# KiCad board SONATA-ONE.kicad_pcb (continued)
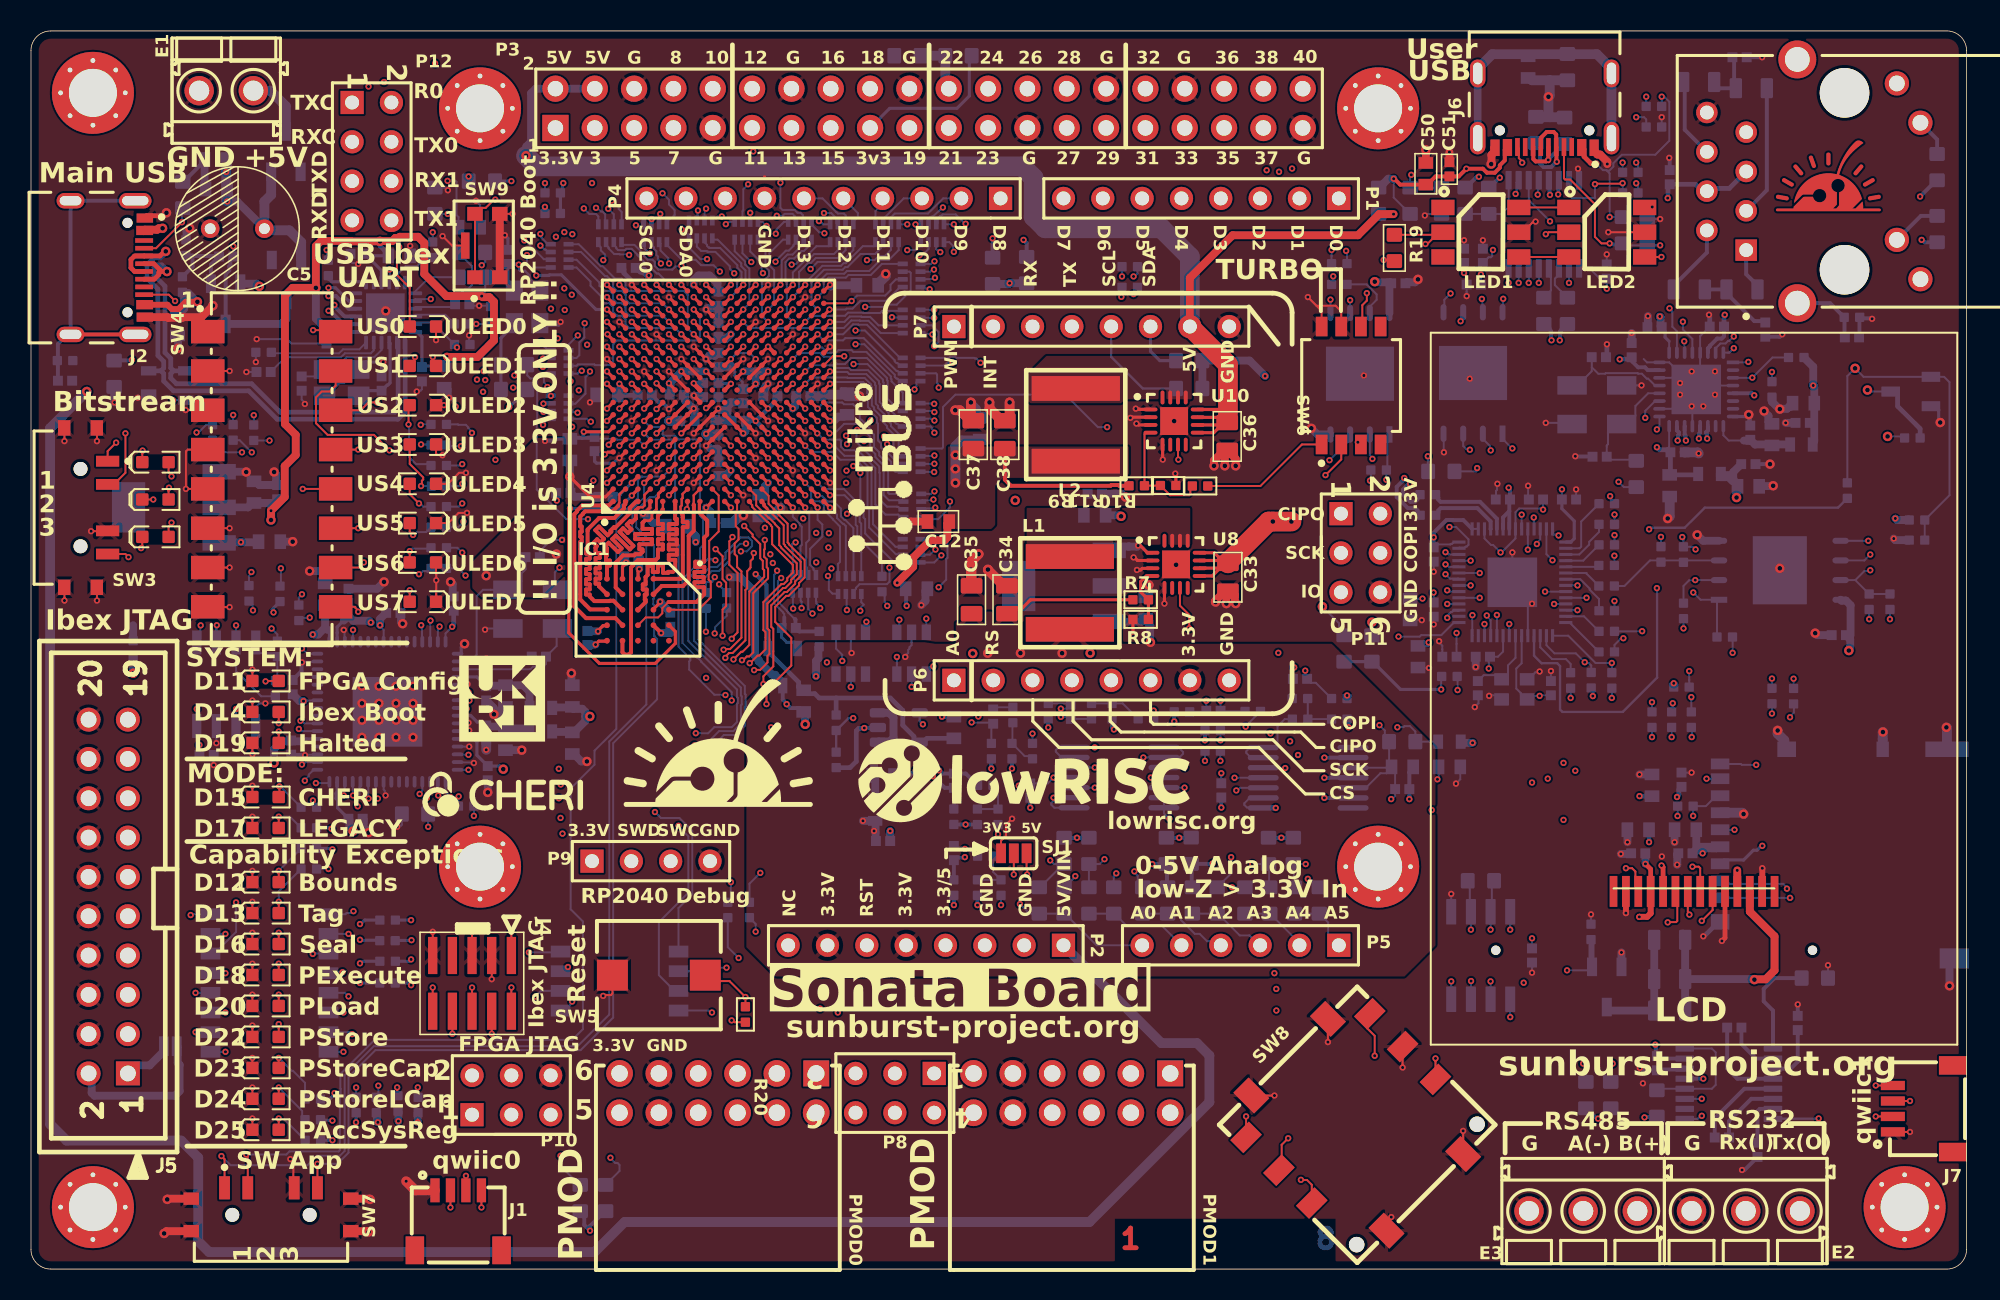
[diagram p0: board, top side]
## Routing (per net, layer and track width the routed paths; a pad name or vN(x,y) marks a point on that pad's centre or on a via; arc(x,y) is an arc through that point) (continued)
Net-(U4A-IO_L8N_T1_D12_14): length 20.6
  Top w0.203: U4.P14 v2(48.4,60.4)
  In6.Cu w0.127: v2(49.12,64.9) 49.81,65.59 50.01,65.59 50.15,65.73 53.6,65.73 53.72,65.84 54.26,65.84 54.41,65.68 54.62,65.68 54.77,65.52 54.77,64.57 54.7,64.51 54.7,64.09 54.77,64.03 54.77,62.81 54.39,62.42 54.39,62.13 53.85,61.59 49.04,61.59 48.79,61.35 48.79,60.79 v2(48.4,60.4)
  Bottom w0.127: R191.4A 51.61,66.18 51.52,66.09 50.73,66.09 50.16,65.52 49.97,65.52 49.41,64.96 49.18,64.96 v2(49.12,64.9)
Net-(U4A-IO_L8P_T1_D11_14): length 7.5
  Top w0.203: U4.N14 v2(47.6,60.4)
  In6.Cu w0.127: v2(48.08,65.09) 48.08,63.84 48.01,63.76 48.01,60.81 v2(47.6,60.4)
  Bottom w0.127: R182.3A 49.4,66.34 49.25,66.18 49.25,66.11 48.94,65.8 48.75,65.8 48.08,65.14 v2(48.08,65.09)
Net-(U4A-IO_L9N_T1_DQS_D13_14): length 4.3
  Top w0.203: U4.P18 v2(48.4,63.6)
  Bottom w0.127: R182.2A 49.9,66.34 49.75,66.18 49.75,66.11 49.18,65.55 48.86,65.55 48.48,65.17 48.48,63.75 48.4,63.68 v2(48.4,63.6)
Net-(U4A-IO_L9P_T1_DQS_14): length 24.9
  Top w0.203: U4.N17 v2(47.6,62.8)
  In3.Cu w0.127: v2(47.6,62.8) 48.01,63.21 52.88,63.21 53.38,63.7 58.17,63.7 58.22,63.66 58.24,63.66 58.6,63.31 69.63,63.31 v2(70.46,64.14)
  Bottom w0.127: v2(70.46,64.14) R168.1
Net-(U4A-IO_L10P_T1_D14_14): length 9.7
  Top w0.203: U4.M16 v2(46.8,62)
  In6.Cu w0.127: v2(46.8,62) 46.75,62.05 46.75,62.3 46.41,62.64 46.41,64.4 46.91,64.91 46.91,65.41 46.84,65.49 45.21,65.49 45.2,65.5 43.98,65.5 43.73,65.26 v2(43.66,65.26)
  Bottom w0.127: 42.5,66.52 42.5,66 43.24,65.26 v2(43.66,65.26)
Net-(U4A-IO_L11N_T1_SRCC_14): length 6.1
  Top w0.203: U4.N16 v2(47.6,62)
  Bottom w0.127: v2(47.6,62) 47.99,62.39 47.99,64.54 47.69,64.85 47.69,65.64 48.56,66.52 R182.4A
Net-(U4A-IO_L11P_T1_SRCC_14): length 6.6
  Top w0.203: U4.N15 v2(47.6,61.2)
  Bottom w0.127: v2(47.6,61.2) 47.21,61.59 47.21,63.76 47.44,63.99 47.47,63.99 47.67,64.19 47.67,64.51 47.44,64.74 47.44,65.85 46.95,66.34 R177.1A
Net-(U4A-IO_L12N_T1_MRCC_14): length 6.5
  Top w0.203: U4.R17 v2(49.2,62.8)
  Bottom w0.127: R191.2A 52.61,65.84 52.1,65.33 50.68,65.33 50.37,65.01 50.18,65.01 49.61,64.44 49.61,63.21 v2(49.2,62.8)
Net-(U4A-IO_L12P_T1_MRCC_14): length 16.9
  Top w0.203: U4.P17 v2(48.4,62.8)
  In6.Cu w0.127: v2(53.87,62.17) 53.87,63.47 54.45,64.05 54.45,64.61 54.52,64.68 54.52,65.22 54.15,65.59 53.82,65.59 53.68,65.45 50.23,65.45 48.81,64.03 48.81,63.21 v2(48.4,62.8)
  Bottom w0.127: v2(53.87,62.17) 55.2,62.17 55.35,62.32 55.91,62.32 56.81,63.22 56.81,64.37 56.74,64.45 R179.3A
Net-(U4A-IO_L13N_T2_MRCC_14): length 7
  Top w0.203: U4.R15 v2(49.2,61.2)
  Bottom w0.127: v2(49.2,61.2) 48.81,61.59 48.81,63.75 48.73,63.83 48.73,65.07 48.96,65.3 49.29,65.3 49.77,65.78 49.91,65.78 50.25,66.11 50.25,66.18 50.4,66.34 R182.1A
Net-(U4A-IO_L14N_T2_SRCC_14): length 7.2
  Top w0.203: U4.T15 v2(50,61.2)
  Bottom w0.127: v2(50,61.2) 50.39,61.59 52.56,61.59 52.77,61.8 53.73,61.8 53.76,61.78 54.84,61.78 54.98,61.92 56.24,61.92 R183.4A
Net-(U4A-IO_L15N_T2_DQS_DOUT_CSO_B_14): length 9
  Top w0.203: U4.T16 v2(50,62)
  In6.Cu w0.127: v2(53.99,65.19) 51.84,65.19 50.41,63.76 50.41,62.41 v2(50,62)
  Bottom w0.127: R190.2A 55.54,65.85 55.14,65.46 54.74,65.46 54.48,65.19 v2(53.99,65.19)
Net-(U4A-IO_L15P_T2_DQS_RDWR_B_14): length 7.4
  Top w0.203: U4.R16 v2(49.2,62)
  In6.Cu w0.127: v2(50.35,64.62) 49.61,63.88 49.61,62.41 v2(49.2,62)
  Bottom w0.127: v2(50.35,64.62) 50.8,65.08 52.2,65.08 52.38,65.25 52.52,65.25 53.11,65.84 R191.1A
Net-(U4A-IO_L16N_T2_A15_D31_14): length 5.9
  Top w0.203: v2(51.57,62) 51.57,61.98 51.2,61.62 U4.V16
  Bottom w0.127: v2(51.57,62) 52.61,62 52.67,62.06 53.06,62.06 53.57,62.56 55.24,62.56 56.12,63.45 R179.1A
Net-(U4A-IO_L16P_T2_CSI_B_14): length 5.6
  Top w0.203: U4.V15 v2(51.6,61.2)
  Bottom w0.127: v2(51.6,61.2) 52.53,61.2 52.88,61.55 53.63,61.55 53.65,61.52 54.19,61.52 54.74,60.98 R183.2A
Net-(U4A-IO_L17N_T2_A13_D29_14): length 7.3
  Top w0.203: U4.U18 v2(50.8,63.6)
  Bottom w0.127: R190.1A 56.04,65.84 55.4,65.2 54.85,65.2 54.13,64.49 52.69,64.49 52.52,64.31 51.4,64.31 50.85,63.77 50.85,63.65 v2(50.8,63.6)
Net-(U4A-IO_L17P_T2_A14_D30_14): length 7.3
  Top w0.203: U4.U17 v2(50.8,62.8)
  Bottom w0.127: R179.4A 54.95,64.95 54.24,64.23 52.8,64.23 52.63,64.06 51.5,64.06 51.19,63.75 51.19,63.19 v2(50.8,62.8)
Net-(U4A-IO_L18N_T2_A11_D27_14): length 5.9
  Top w0.127: v2(53,62.55) 52.92,62.55 52.77,62.4 U4.V17
  Bottom w0.127: R179.2A 55.86,63.95 55.51,63.6 55.51,63.25 55.17,62.9 53.35,62.9 v2(53,62.55)
Net-(U4A-IO_L18P_T2_A12_D28_14): length 8.3
  Top w0.203: U4.U16 v2(50.8,62)
  Bottom w0.127: v2(50.8,62) 50.41,62.39 50.41,63.76 51.21,64.57 52.41,64.57 52.59,64.74 52.73,64.74 53.57,65.59 54.51,65.59 54.88,65.95 54.88,66.02 55.04,66.18 R190.3A
Net-(U4A-IO_L19N_T3_A09_D25_VREF_14): length 16.2
  Top w0.203: U4.U11 v2(50.8,58)
  In6.Cu w0.127: v2(57.37,65.5) 57.37,65.11 57.31,65.05 57.31,58.87 55.37,56.92 53.61,56.92 ; 53.58,56.92 53.58,56.94 52.93,57.59 51.21,57.59 v2(50.8,58)
  Bottom w0.127: R189.3A 57.96,65.91 57.56,65.5 v2(57.37,65.5)
Net-(U4A-IO_L19P_T3_A10_D26_14): length 9.6
  Top w0.203: U4.T11 v2(50,58)
  Bottom w0.127: R188.1A 56.12,54.45 55.96,54.61 55.89,54.61 55.39,55.11 55.39,55.32 54.96,55.75 54.96,55.88 54.81,56.02 54.81,57.18 54.77,57.23 54.77,57.37 54.05,58.08 52.96,58.08 52.82,58.22 51.97,58.22 51.79,58.39 50.39,58.39 v2(50,58)
Net-(U4A-IO_L20N_T3_A07_D23_14): length 13.8
  Top w0.127: v2(52.52,58.98) 51.78,58.98 U4.V12
  In6.Cu w0.127: v2(52.52,58.98) 53.18,58.98 53.29,58.87 53.88,58.87 55.01,59.99 55.01,62.21 56.6,63.8 56.6,65.29 56.75,65.45 56.75,65.45 56.98,65.68 56.98,65.69 57.19,65.9 57.83,65.9 58.01,65.71 v2(58.72,65.71)
  Bottom w0.127: R189.2A 58.46,65.89 58.59,65.77 58.67,65.77 v2(58.72,65.71)
Net-(U4A-IO_L20P_T3_A08_D24_14): length 8.5
  Top w0.203: U4.U12 v2(50.8,58.8)
  In6.Cu w0.127: v2(53.12,58.47) 52.04,58.47 51.87,58.65 51.85,58.65 51.7,58.8 v2(50.8,58.8)
  Bottom w0.127: R188.2A 56.12,54.95 55.96,55.11 55.89,55.11 55.64,55.36 55.64,55.43 55.35,55.71 55.35,55.84 55.07,56.13 55.07,57.28 55.02,57.33 55.02,57.47 54.02,58.47 v2(53.12,58.47)
Net-(U4A-IO_L21N_T3_DQS_A06_D22_14): length 8.9
  Top w0.203: U4.V11 v2(51.6,58)
  Bottom w0.127: R185.4A 56.12,53.02 56.04,53.1 56.04,53.96 55.54,54.46 55.54,54.6 55.13,55.01 55.13,55.22 54.7,55.65 54.7,55.77 54.56,55.92 54.56,57.07 54.51,57.12 54.51,57.26 53.95,57.83 52.85,57.83 52.72,57.97 51.63,57.97 v2(51.6,58)
Net-(U4A-IO_L21P_T3_DQS_14): length 9.9
  Top w0.203: U4.V10 v2(51.6,57.2)
  Bottom w0.127: R185.1A 55.82,51.52 55.55,51.79 55.55,52.16 55.04,52.68 55.04,52.94 54.9,53.08 54.9,53.35 54.7,53.54 54.7,54.62 54.62,54.7 54.62,55.01 54.19,55.44 54.19,55.56 54.05,55.71 54.05,56.55 54,56.6 54,57.06 53.74,57.32 51.79,57.32 51.68,57.2 v2(51.6,57.2)
Net-(U4A-IO_L22N_T3_A04_D20_14): length 6.4
  Top w0.203: U4.V14 v2(51.6,60.4)
  Bottom w0.127: R181.4A 56.12,58.88 53.98,61.01 53.44,61.01 53.42,61.04 53.09,61.04 52.45,60.4 v2(51.6,60.4)
Net-(U4A-IO_L22P_T3_A05_D21_14): length 7.2
  Top w0.203: U4.U14 v2(50.8,60.4)
  Bottom w0.127: v2(50.8,60.4) 51.19,60.01 52.45,60.01 52.59,60.15 53.78,60.15 55.89,58.04 55.96,58.04 56.12,57.88 R181.2A
Net-(U4A-IO_L23N_T3_A02_D18_14): length 8.3
  Top w0.203: U4.U13 v2(50.8,59.6)
  Bottom w0.127: v2(50.8,59.6) 50.85,59.55 51.1,59.55 51.44,59.21 51.97,59.21 52.14,59.38 52.99,59.38 53.1,59.26 53.95,59.26 55.53,57.68 55.53,57.54 55.57,57.5 55.57,57.35 56.3,56.63 R188.4A
Net-(U4A-IO_L23P_T3_A03_D19_14): length 8.3
  Top w0.203: U4.T13 v2(50,59.6)
  In6.Cu w0.127: v2(50,59.6) 50.39,59.21 51.76,59.21 52.31,59.75 53.25,59.75 v2(53.25,59.76)
  Bottom w0.127: R181.1A 56.12,57.38 55.96,57.54 55.89,57.54 55.78,57.65 55.78,57.79 53.81,59.76 53.26,59.76
Net-(U4A-IO_L24N_T3_A00_D16_14): length 10.8
  Top w0.203: U4.T10 v2(50,57.2)
  Bottom w0.127: v2(50,57.2) 50.41,57.61 52.72,57.61 52.75,57.57 53.84,57.57 54.26,57.16 54.26,57.02 54.3,56.97 54.3,55.81 54.45,55.67 54.45,55.54 54.88,55.11 54.88,54.88 55.28,54.47 55.28,54.36 55.7,53.94 55.7,52.87 55.89,52.68 56.04,52.6 R185.3A
Net-(U4A-IO_L24P_T3_A01_D17_14): length 8.8
  Top w0.203: U4.T9 v2(50,55.6)
  In6.Cu w0.127: v2(50,55.6) 50.41,55.19 51.81,55.19 52.66,54.34 52.86,54.34 52.92,54.29 52.92,54.12 53.03,54.01 53.03,53.97 53.11,53.89 53.14,53.89 53.2,53.83 53.58,53.83 53.64,53.89 53.96,53.89 54.1,53.76 54.24,53.76 54.68,53.32 55.28,53.32 v2(55.29,53.3)
  Bottom w0.127: v2(55.29,53.3) 55.29,52.78 55.89,52.18 55.96,52.18 56.12,52.02 R185.2A
Net-(U4B-IO_25_15): length 43.3
  Top w0.203: U4.K16 v2(45.2,62)
  In6.Cu w0.127: v2(45.2,62) 44.74,61.54 44.74,57.95 43.99,57.2 43.99,55.47 43.21,54.68 43.21,49.04 43.32,48.92 43.32,46.16 43.54,45.94 43.54,45.88 44.01,45.41 46.06,45.41 46.41,45.06 46.41,44.74 46.63,44.51 46.63,39.92 47.45,39.11 47.45,38.69 47.7,38.44 47.7,37.46 47.11,36.86 47.11,25.61 v2(47.1,25.6)
  Bottom w0.127: 46.41,23.71 R187.1 46.4,24.9 v2(47.1,25.6)
Net-(U4B-IO_L10N_T1_AD11N_15): length 11.3
  Top w0.203: v2(37.2,63.6) U4.A18
  In6.Cu w0.127: v2(37.2,63.6) 34.85,61.25 34.85,60.93 34.67,60.75 34.67,60.06 34.96,59.76 34.96,57.99 35.89,57.06 35.89,56.49 35.71,56.31 35.71,55.74 v2(35.3,55.33)
  Bottom w0.127: R172.3A 34.77,55.39 35.25,55.39 v2(35.3,55.33)
Net-(U4B-IO_L10P_T1_AD11P_15): length 10.6
  Top w0.203: v2(38,63.6) U4.B18
  In6.Cu w0.127: v2(34.85,57.37) 34.79,57.42 34.79,57.66 34.71,57.74 34.71,59.66 34.41,59.96 34.41,60.86 34.59,61.04 34.59,61.54 35.72,62.67 35.72,62.68 37.04,63.99 37.61,63.99 v2(38,63.6)
  Bottom w0.127: v2(34.85,57.37) 34.85,56.53 34.76,56.44 R172.1A
Net-(U4B-IO_L11N_T1_SRCC_15): length 13.1
  Top w0.203: v2(40.4,62) U4.E16
  In6.Cu w0.127: v2(40.4,62) 40.01,62.39 36.48,62.39 35.1,61.02 35.1,60.83 34.92,60.65 34.92,60.17 36.1,58.99 v2(36.1,58)
  Bottom w0.127: v2(36.1,58) 36.1,57.92 35.81,57.64 35.81,56.56 35.16,55.91 34.74,55.91 R172.2A
Net-(U4B-IO_L12N_T1_MRCC_15): length 7
  Top w0.203: v2(38.8,61.2) U4.C15
  In6.Cu w0.127: v2(38.8,61.2) 38.41,61.59 36.24,61.59 v2(35.76,61.12)
  Bottom w0.127: v2(35.76,61.12) 35.73,61.09 35.73,60.19 35.41,59.87 35.41,59.05 35.23,58.87 R173.2A
Net-(U4B-IO_L12P_T1_MRCC_15): length 6.4
  Top w0.203: v2(39.6,61.2) U4.D15
  In6.Cu w0.127: v2(35.31,60.33) 36.6,60.33 37.07,60.79 39.19,60.79 v2(39.6,61.2)
  Bottom w0.127: R173.1A 34.72,59.73 v2(35.31,60.33)
Net-(U4B-IO_L13N_T2_MRCC_15): length 11.6
  Top w0.203: v2(42,62) U4.G16
  In6.Cu w0.127: v2(35.57,58.04) 35.64,58.04 35.66,58.06 ; 35.66,58.16 35.71,58.16 35.71,57.84 35.94,57.61 36.26,57.61 36.49,57.84 36.49,59.45 37.04,59.99 39.75,59.99 40,60.24 40,60.56 40.24,60.8 40.6,60.8 40.79,60.99 40.79,61.47 40.93,61.61 41.61,61.61 v2(42,62)
  Bottom w0.127: R173.4A 34.72,57.86 35.31,57.86 35.49,58.04 v2(35.57,58.04)
Net-(U4B-IO_L13P_T2_MRCC_15): length 12.4
  Top w0.203: v2(42.8,62) U4.H16
  Bottom w0.127: R173.3A 35.23,58.37 35.32,58.46 36.38,58.46 36.43,58.41 37.36,58.41 37.6,58.65 37.6,59.76 37.84,60 42.95,60 43.19,60.24 43.19,61.61 v2(42.8,62)
Net-(U4B-IO_L14N_T2_SRCC_15): length 9
  Top w0.203: v2(41.2,62) U4.F16
  Bottom w0.127: R174.2A 35.52,65.72 37.08,64.15 37.2,64.15 37.59,63.76 37.59,63.45 37.84,63.2 38.15,63.2 38.4,62.95 38.4,62.64 38.65,62.39 40.81,62.39 v2(41.2,62)
Net-(U4B-IO_L14P_T2_SRCC_15): length 9.2
  Top w0.203: v2(41.2,61.2) U4.F15
  Bottom w0.127: R174.3A 35.23,65.22 36.71,63.74 36.71,63.53 37.04,63.21 37.35,63.21 37.6,62.96 37.6,62.65 37.84,62.4 38.15,62.4 38.39,62.16 38.39,61.85 38.64,61.61 40.79,61.61 v2(41.2,61.2)
Net-(U4B-IO_L15N_T2_DQS_ADV_B_15): length 10.3
  Top w0.203: v2(42,60.4) U4.G14
  Bottom w0.127: R174.4A 35.23,64.72 36.13,63.81 36.13,63.54 36.81,62.87 36.81,62.64 37.04,62.4 37.36,62.4 37.6,62.16 37.6,61.85 37.84,61.6 38.15,61.6 38.39,61.36 38.39,61.05 38.64,60.81 41.59,60.81 v2(42,60.4)
Net-(U4B-IO_L15P_T2_DQS_15): length 12.5
  Top w0.203: v2(42.8,60.4) U4.H14
  Bottom w0.127: v2(42.8,60.4) 42.41,60.79 42.41,62.95 42.16,63.2 38.64,63.2 38.39,63.45 38.39,63.76 38.16,64 37.71,64 36.92,64.8 36.8,64.8 35.38,66.22 R174.1A
Net-(U4B-IO_L16N_T2_A27_15): length 5.3
  Top w0.203: v2(39.6,62.8) U4.D17
  In4.Cu w0.127: v2(40.68,64.98) 40.63,64.92 40.63,64.72 40.55,64.65 40.55,64 40.79,63.76 40.79,63.44 40.56,63.21 40.01,63.21 v2(39.6,62.8)
  Bottom w0.127: R176.3A 40.07,66.18 40.23,66.02 40.23,65.93 40.39,65.76 40.39,65.52 40.49,65.43 40.49,65.24 40.68,65.05 v2(40.68,64.98)
Net-(U4B-IO_L16P_T2_A28_15): length 6
  Top w0.203: v2(40.4,62.8) U4.E17
  In4.Cu w0.127: v2(41.21,64.98) 41.21,64.95 40.81,64.55 40.81,64.11 40.92,63.99 41.36,63.99 41.59,63.76 41.59,63.44 41.35,63.19 41.04,63.19 40.7,62.85 40.45,62.85 v2(40.4,62.8)
  Bottom w0.127: v2(41.21,64.98) 41.16,65.03 41.16,65.31 40.65,65.82 40.65,66.27 R176.2A
Net-(U4B-IO_L17N_T2_A25_15): length 10.1
  Top w0.203: v2(43.6,59.6) U4.J13
  In1.Cu w0.127: v2(43.6,59.6) 44.4,60.4 44.4,64.4 44.46,64.46 v2(44.49,64.46)
  Bottom w0.127: R176.1A 41.07,66.18 42.02,65.23 42.16,65.23 42.18,65.22 42.92,65.22 43.28,64.86 44.08,64.86 v2(44.49,64.46)
Net-(U4B-IO_L17P_T2_A26_15): length 11.3
  Top w0.203: U4.K13 v2(45.2,59.6)
  In4.Cu w0.127: v2(45.2,59.6) 44.5,60.3 44.5,63.86 42.71,65.65 40.02,65.65 v2(39.98,65.61)
  Bottom w0.127: v2(39.98,65.61) 39.94,65.61 39.63,65.92 39.63,66.29 R176.4A
Net-(U4B-IO_L18P_T2_A24_15): length 16.3
  Top w0.203: v2(42.8,62.8) U4.H17
  In6.Cu w0.127: v2(36.16,54.76) 36.1,54.81 36.1,55.12 36.1,55.12 36.1,55.25 36.4,55.54 36.4,55.74 36.49,55.84 36.49,56.16 36.4,56.26 36.4,57.31 36.75,57.66 36.75,58.9 37.04,59.19 40.55,59.19 40.79,59.44 40.79,59.75 41.04,59.99 41.35,59.99 41.59,60.24 41.59,60.55 41.84,60.79 42.99,60.79 43.19,60.99 43.19,62.41 v2(42.8,62.8)
  Bottom w0.127: R172.4A 35.9,54.94 36.08,54.76 v2(36.16,54.76)
Net-(U4B-IO_L22N_T3_A16_15): length 5.6
  Top w0.203: v2(41.2,63.6) U4.F18
  Bottom w0.127: R194.2A 37.64,66.18 37.8,66.02 37.8,65.95 37.91,65.84 38.37,65.84 38.45,65.92 38.79,65.92 39.17,65.54 39.17,65.51 39.71,64.97 39.88,64.97 40.03,64.82 40.03,64.71 40.41,64.33 40.52,64.33 41.2,63.65 v2(41.2,63.6)
Net-(U4B-IO_L23N_T3_FWE_B_15): length 7.9
  Top w0.203: v2(43.6,63.6) U4.J18
  In4.Cu w0.127: v2(43.6,63.6) 43.6,64.07 42.83,64.84 v2(42,64.84)
  Bottom w0.127: v2(42,64.84) 41.95,64.78 41.63,64.78 41.43,64.58 40.52,64.58 40.29,64.81 40.29,65.07 40.14,65.22 39.82,65.22 39.59,65.45 39.59,65.56 38.97,66.18 38.23,66.18 38.14,66.26 R194.1A
Net-(U4B-IO_L23P_T3_FOE_B_15): length 10.2
  Top w0.203: v2(43.6,62.8) U4.J17
  In3.Cu w0.127: v2(38.63,65.53) 38.63,65.54 38.9,65.81 38.9,65.91 39,66.01 41.75,66.01 44,63.76 44,63.2 v2(43.6,62.8)
  Bottom w0.127: v2(38.63,65.53) 38.6,65.56 38.02,65.56 38,65.58 37.66,65.58 37.3,65.95 37.3,66.02 37.14,66.18 R194.3A
Net-(U4B-IO_L24N_T3_RS0_15): length 43.2
  Top w0.203: v2(43.6,61.2) U4.J15
  In6.Cu w0.127: v2(45.2,25) 45.35,25.15 46.38,25.15 46.71,25.48 46.71,32.28 46.85,32.42 46.85,36.97 47.09,37.21 47.09,37.45 46.91,37.64 46.91,37.96 47.09,38.15 47.09,39.1 46.38,39.82 46.38,44 45.62,44.76 45.6,44.76 45.2,45.15 43.9,45.15 43.28,45.77 43.28,45.84 42.54,46.58 42.54,47.82 42.75,48.03 42.75,50.29 42.41,50.64 42.41,54.65 43.21,55.45 43.21,55.97 43.4,56.17 43.4,57.64 43.19,57.85 43.19,60.63 43.45,60.89 43.45,60.98 43.6,61.12 v2(43.6,61.2)
  Bottom w0.127: R186.1 45.19,23.89 45.19,24.99 v2(45.2,25)
Net-(U4B-IO_L24P_T3_RS1_15): length 14.4
  Top w0.203: U4.K15 v2(45.2,61.2)
  In4.Cu w0.127: v2(36.96,65.19) 37.01,65.24 37.79,65.24 38.55,66.01 43.49,66.01 44.88,64.62 44.88,63.84 44.81,63.76 44.81,61.59 v2(45.2,61.2)
  Bottom w0.127: R194.4A 36.64,66.18 36.8,66.02 36.8,65.82 37.06,65.56 37.06,65.48 37.09,65.44 37.09,65.4 36.96,65.27 v2(36.96,65.19)
Net-(U4D-IO_25_34): length 12.9
  Top w0.203: U4.U8 v2(50.8,54.8)
  In6.Cu w0.127: v2(50.8,54.8) 50.85,54.75 51.07,54.75 51.42,54.39 51.87,54.39 52.24,54.02 52.24,53.68 52.29,53.64 52.29,53.49 52.31,53.47 52.31,53.14 53.16,52.28 53.24,52.28 53.25,52.28 53.27,52.28 53.41,52.14 53.41,52.14 53.67,51.88 53.67,51.63 53.56,51.52 v2(53.56,51.44)
  Bottom w0.127: v2(53.56,51.44) 53.56,49.69 53.77,49.48 53.77,48.56 53.87,48.46 53.87,47.53 55.69,45.71 56.24,45.71 R184.1A
Net-(U4D-IO_L7N_T1_34): length 5.4
  Top w0.203: U4.V1 v2(51.6,49.2)
  Bottom w0.127: R180.2A 52.62,48.01 52.48,48.15 52.43,48.15 52.05,48.53 52.05,48.75 v2(51.6,49.2)
Net-(U4D-IO_L7P_T1_34): length 5.5
  Top w0.203: U4.U1 v2(50.8,49.2)
  Bottom w0.127: v2(50.8,49.2) 50.8,48.42 51.1,48.11 51.1,47.33 50.32,46.54 50.32,45.5 50.53,45.28 50.53,45.19 50.69,45.03 R178.4A
Net-(U4D-IO_L8N_T1_34): length 9.1
  Top w0.203: U4.U3 v2(50.8,50.8)
  Bottom w0.127: v2(50.8,50.8) 51.21,50.39 52.5,50.39 53.52,49.38 53.52,48.27 53.62,48.17 53.62,47.06 54.96,45.73 R171.1
Net-(U4D-IO_L9N_T1_DQS_34): length 7.2
  Top w0.203: U4.V2 v2(51.6,50)
  Bottom w0.127: v2(51.6,50) 52.54,50 53.26,49.27 53.26,48.09 53.36,47.99 53.36,46.57 53.62,46.31 R180.4A
Net-(U4D-IO_L9P_T1_DQS_34): length 7.2
  Top w0.203: U4.U2 v2(50.8,50)
  Bottom w0.127: R180.3A 53.12,46.45 53.11,46.46 53.11,47.88 52.58,48.41 52.54,48.41 52.31,48.64 52.31,49.14 51.85,49.59 51.45,49.59 51.1,49.95 50.85,49.95 v2(50.8,50)
Net-(U4D-IO_L11N_T1_SRCC_34): length 7.8
  Top w0.203: U4.T3 v2(50,50.8)
  Bottom w0.127: R180.1A 52.12,45.56 52.25,45.69 52.25,47.98 51.8,48.43 51.8,48.44 51.21,49.04 51.21,49.35 50.96,49.6 50.59,49.6 50.39,49.8 50.39,50.41 v2(50,50.8)
Net-(U4D-IO_L15P_T2_DQS_34): length 6.8
  Top w0.203: U4.P2 v2(48.4,50)
  In6.Cu w0.127: v2(48.4,50) 48,49.6 48,48.13 48.59,47.54 48.79,47.54 v2(49.38,46.95)
  Bottom w0.127: v2(49.38,46.95) 49.31,46.95 49.21,46.86 49.17,46.86 49.17,46.56 49.13,46.52 49.19,46.46 R178.1A
Net-(U4D-IO_L17N_T2_34): length 5.2
  Top w0.203: U4.T1 v2(50,49.2)
  Bottom w0.127: R178.3A 50.11,44.94 50.11,45.35 50.06,45.39 50.06,46.93 50.26,47.13 50.26,48.91 50,49.17 v2(50,49.2)
Net-(U4D-IO_L17P_T2_34): length 5.2
  Top w0.203: U4.R1 v2(49.2,49.2)
  Bottom w0.127: R178.2A 49.69,46.71 49.78,46.79 49.78,47.97 49.65,48.09 49.65,48.16 49.2,48.61 v2(49.2,49.2)
Net-(U4D-IO_L20N_T3_34): length 10
  Top w0.203: U4.V6 51.2,53.58 51.57,53.22 v2(51.57,53.2)
  Bottom w0.127: R184.3A 56.29,46.67 55.83,46.67 54.38,48.12 54.38,49.2 54.28,49.3 54.28,51.64 53.77,52.15 53.77,52.18 53.4,52.55 52.54,52.55 51.94,53.15 51.62,53.15 v2(51.57,53.2)
Net-(U4D-IO_L20P_T3_34): length 9.5
  Top w0.203: U4.V7 51.2,54.38 51.57,54.02 v2(51.57,54)
  Bottom w0.127: R170.3A 56.25,49.68 55.4,49.68 55.07,50.01 55.07,51.55 55.04,51.58 55.04,51.95 54.53,52.47 54.53,52.67 54.19,53 54.19,53.8 53.85,54.14 53.85,54.27 53.75,54.37 53.75,54.39 53.52,54.62 53.2,54.62 53.19,54.61 52.51,54.61 51.9,54 v2(51.57,54)
Net-(U4D-IO_L21N_T3_DQS_34): length 9.8
  Top w0.203: U4.V9 51.2,55.98 51.57,55.62 v2(51.57,55.6)
  In6.Cu w0.127: v2(53.36,54.23) 53.34,54.23 52.97,54.6 52.77,54.6 51.92,55.45 51.8,55.45 51.65,55.6 v2(51.57,55.6)
  Bottom w0.127: R170.2A 56.17,49.09 56.01,49.25 55.94,49.25 55.92,49.26 55.28,49.26 54.81,49.73 54.81,51.45 54.79,51.47 54.79,51.85 54.27,52.36 54.27,52.47 53.31,53.43 53.31,54.18 v2(53.36,54.23)
Net-(U4D-IO_L21P_T3_DQS_34): length 10.8
  Top w0.203: U4.U9 v2(50.8,55.6)
  Bottom w0.127: R170.4A 55.43,50.09 55.36,50.16 55.36,51.62 55.29,51.69 55.29,52.06 54.78,52.57 54.78,52.77 54.45,53.11 54.45,53.91 54.2,54.15 54.2,54.28 54.01,54.47 54.01,54.49 53.63,54.87 53.61,54.87 53.53,54.95 53.53,55.49 53.25,55.77 53.2,55.77 53.09,55.88 52.5,55.88 52.39,55.99 51.41,55.99 51.31,55.89 51.09,55.89 v2(50.8,55.6)
Net-(U4D-IO_L22P_T3_34): length 10
  Top w0.203: v2(50.78,54) 50.78,54.01 50.4,54.39 U4.U7
  Bottom w0.127: v2(50.78,54) 50.8,54 51.2,53.59 52.23,53.59 52.31,53.52 52.31,53.14 52.54,52.91 53.4,52.91 54.02,52.28 54.02,52.26 54.53,51.74 54.53,49.4 55.19,48.75 56.01,48.75 56.17,48.59 R170.1A